# KiCad board pq-register.kicad_pcb (continued)
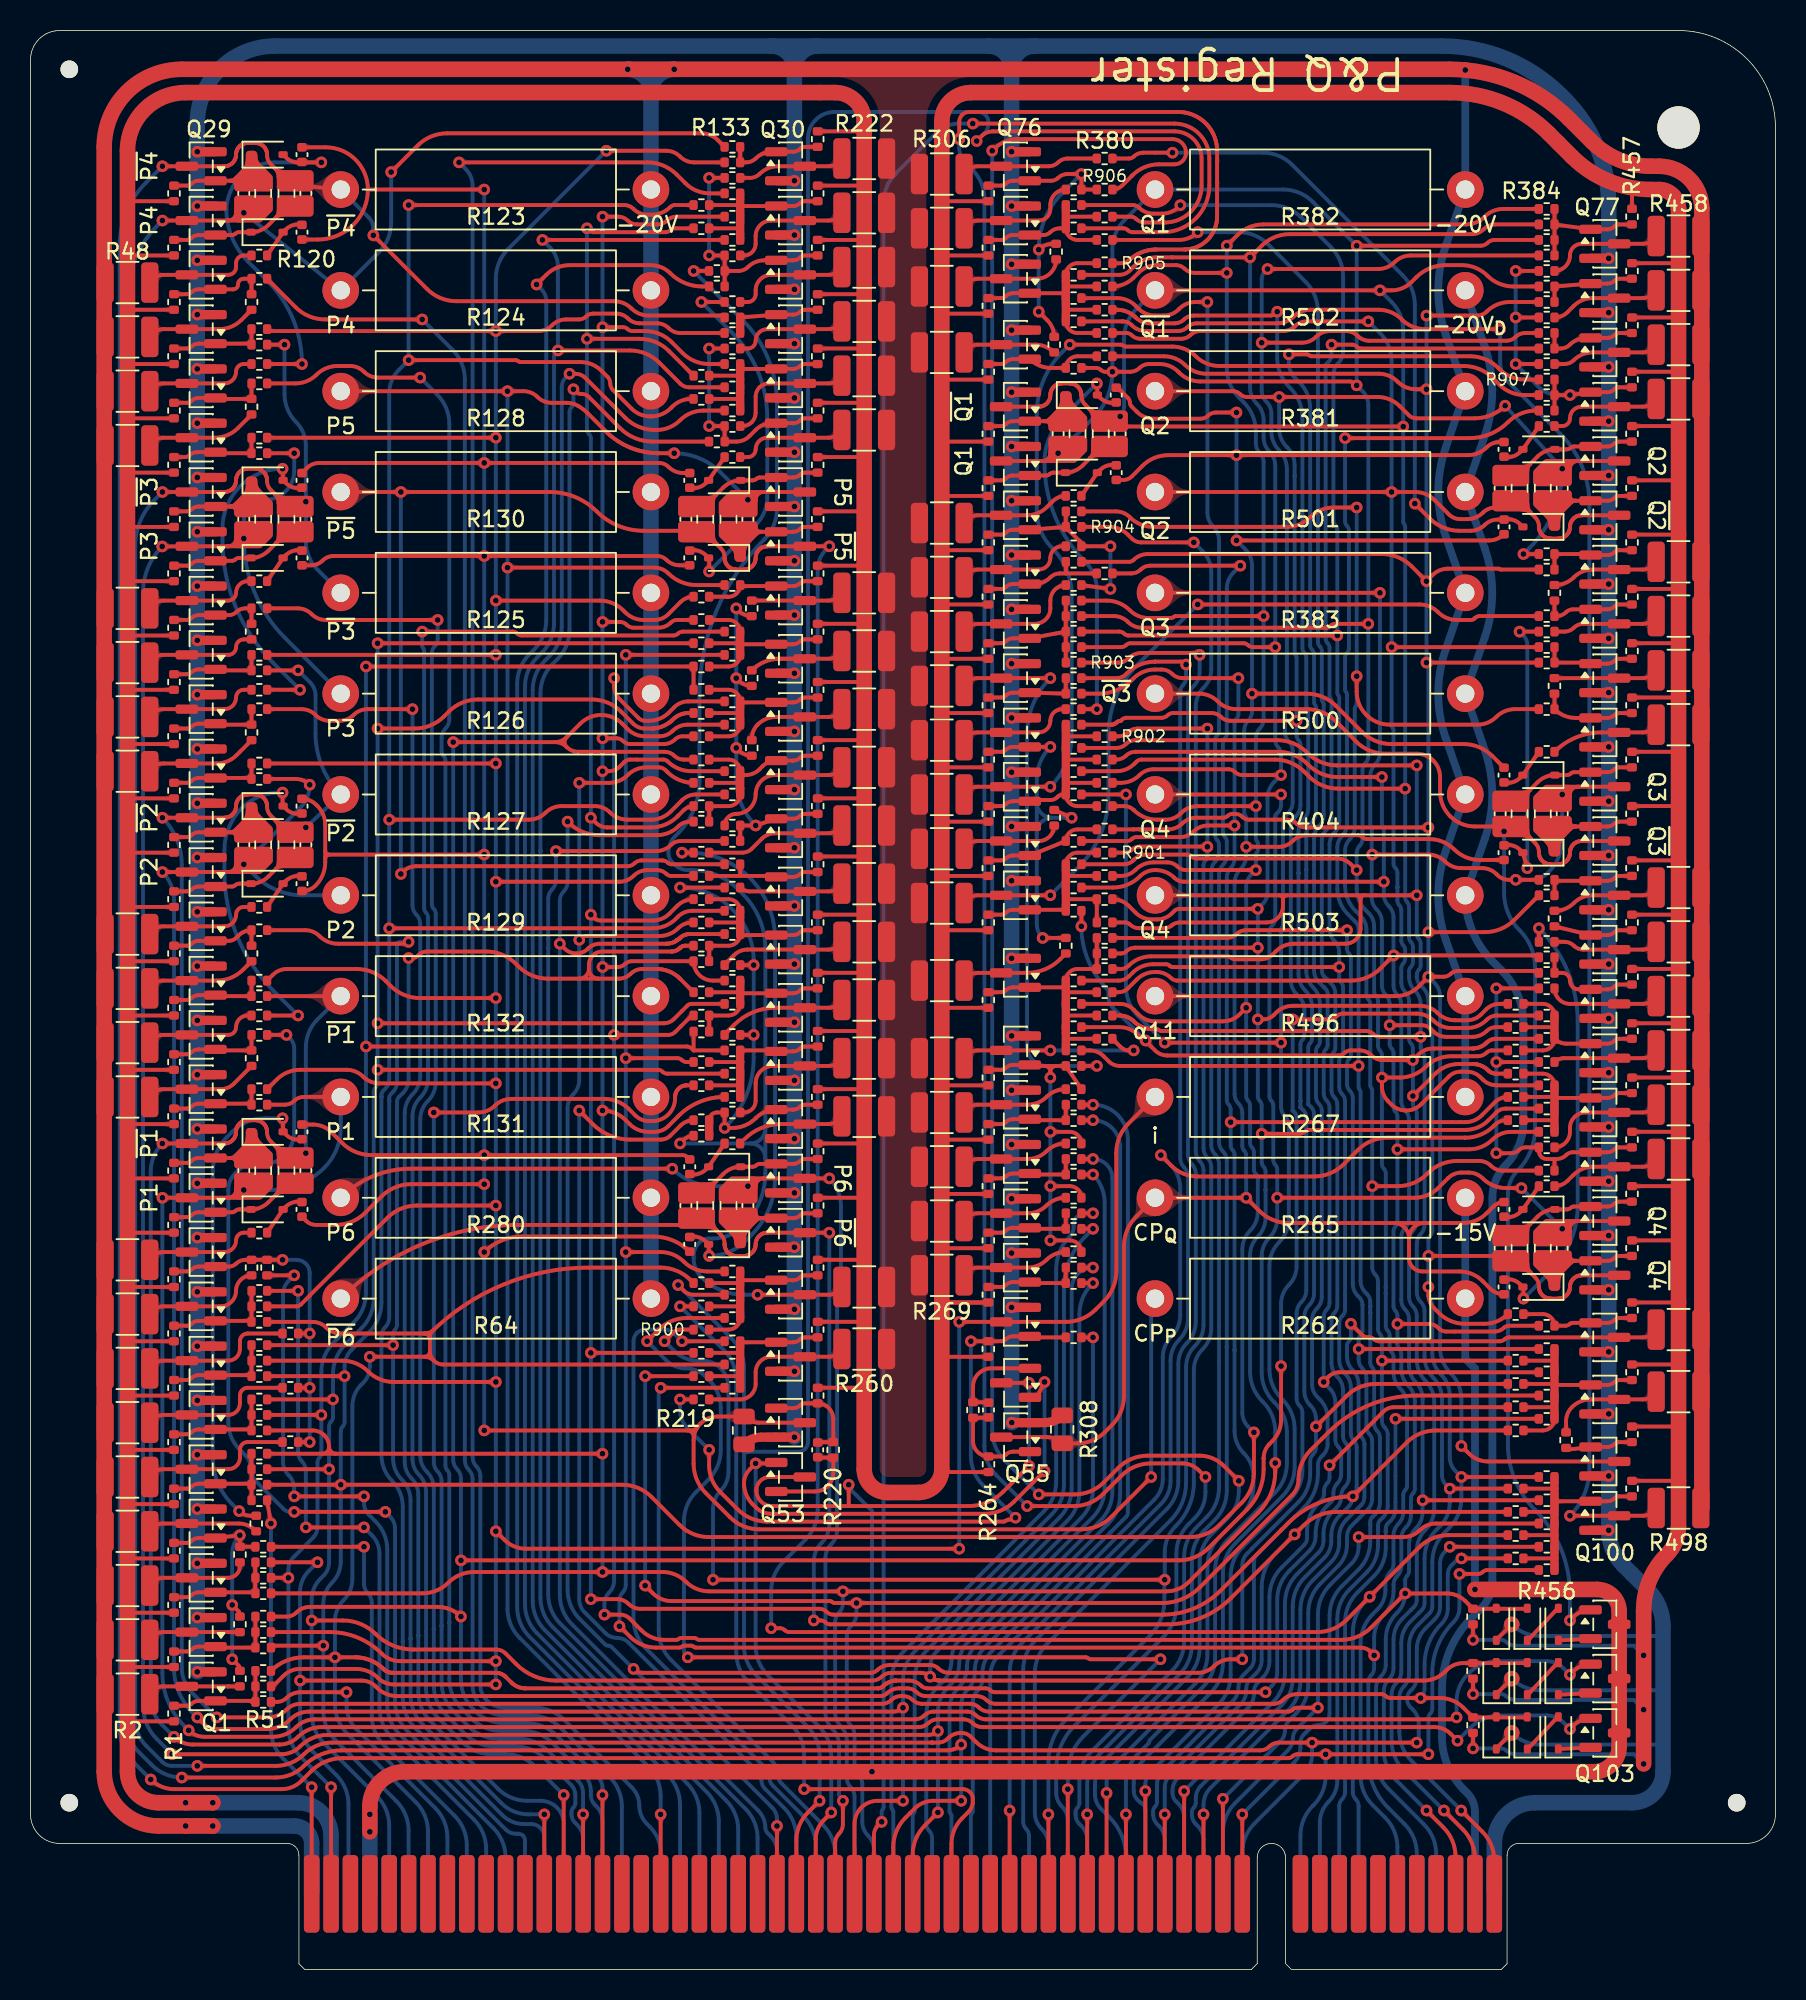
[diagram p0: board, top side]
## Nets (continued)
Net-(Q40-B): Q40.1 R167.2 R168.2 R169.2 R170.2 R171.2 R239.1
Net-(Q40-C): Q40.3 R172.1 R240.2
Net-(Q41-B): Q41.1 R173.2 R174.2 R175.2 R176.2 R177.2 R178.2 R241.1
Net-(Q41-C): Q41.3 R179.1 R242.2
Net-(Q42-B): Q42.1 R160.2 R166.2 R172.2 R179.2 R180.2 R243.1
Net-(Q43-B): Q43.1 R182.2 R183.2 R245.1
Net-(Q43-C): Q43.3 R184.1 R246.2
Net-(Q44-B): Q44.1 R185.2 R186.2 R187.2 R188.2 R189.2 R190.2 R247.1
Net-(Q44-C): Q44.3 R191.1 R248.2
Net-(Q45-B): Q45.1 R192.2 R193.2 R194.2 R195.2 R196.2 R249.1
Net-(Q45-C): Q45.3 R197.1 R250.2
Net-(Q46-B): Q46.1 R198.2 R199.2 R200.2 R201.2 R202.2 R251.1
Net-(Q46-C): Q46.3 R203.1 R252.2
Net-(Q47-B): Q47.1 R184.2 R191.2 R197.2 R203.2 R204.2 R205.2 R253.1
Net-(Q50-B): Q50.1 R209.2 R210.2 R211.2 R212.2 R213.2 R257.1 R900.2
Net-(Q51-B): Q51.1 R214.2 R215.2 R216.2 R217.2 R218.2 R259.1
Net-(Q51-C): Q51.3 R219.1 R260.2
Net-(Q52-B): C25.2 Q52.1 R220.2 R261.1
Net-(Q53-E): C25.1 Q53.2 R220.1
Net-(Q54-E): C26.1 Q54.2 R307.1
Net-(Q55-B): C26.2 Q55.1 R264.1 R307.2
Net-(Q56-B): Q56.1 R219.2 R266.1 R309.2
Net-(Q57-B): Q57.1 R268.1 R310.2 R311.2
Net-(Q57-C): Q57.3 R269.2 R312.1
Net-(Q58-B): Q58.1 R270.1 R313.2 R314.2
Net-(Q58-C): Q58.3 R271.2 R315.1
Net-(Q59-B): Q59.1 R272.1 R316.2 R317.2
Net-(Q59-C): Q59.3 R273.2 R318.1
Net-(Q60-B): Q60.1 R274.1 R319.2 R320.2
Net-(Q60-C): Q60.3 R275.2 R321.1
Net-(Q61-B): Q61.1 R276.1 R312.2 R315.2 R318.2 R321.2 R322.2
Net-(Q61-C): Q61.3 R277.2 R324.1
Net-(Q62-B): Q62.1 R278.1 R323.2 R324.2 R325.2 R326.2 R327.2 R328.2 R329.2 R330.2 R331.2 R333.2
Net-(Q62-C): Q62.3 R279.2 R332.1
Net-(Q63-B): Q63.1 R281.1 R334.2 R335.2 R336.2 R337.2 R338.2 R339.2 R901.2
Net-(Q63-C): Q63.3 R282.2 R403.1
Net-(Q64-B): Q64.1 R283.1 R340.2 R341.2
Net-(Q64-C): Q64.3 R284.2 R342.1
Net-(Q65-B): Q65.1 R285.1 R343.2 R344.2 R345.2 R346.2 R347.2 R348.2 R349.2 R902.2
Net-(Q65-C): Q65.3 R286.2 R395.1
Net-(Q66-B): Q66.1 R287.1 R332.2 R342.2
Net-(Q67-B): Q67.1 R289.1 R351.2 R352.2
Net-(Q67-C): Q67.3 R290.2 R322.1
Net-(Q68-B): Q68.1 R291.1 R353.2 R354.2 R355.2 R356.2 R903.2
Net-(Q68-C): Q68.3 R292.2 R357.1
Net-(Q69-B): Q69.1 R293.1 R358.2 R359.2
Net-(Q69-C): Q69.3 R294.2 R360.1
Net-(Q70-B): Q70.1 R295.1 R357.2 R360.2 R361.2 R904.2
Net-(Q73-B): Q73.1 R299.1 R365.2 R366.2
Net-(Q73-C): Q73.3 R300.2 R367.1
Net-(Q74-B): Q74.1 R301.1 R368.2 R369.2 R370.2 R371.2 R372.2 R373.2 R905.2
Net-(Q74-C): Q74.3 R302.2 R374.1
Net-(Q75-B): Q75.1 R303.1 R375.2 R376.2 R377.2 R378.2
Net-(Q75-C): Q75.3 R304.2 R379.1
Net-(Q76-B): Q76.1 R305.1 R367.2 R374.2 R379.2 R906.2
Net-(Q77-B): Q77.1 R384.2 R385.2 R386.2 R387.2 R457.1
Net-(Q77-C): Q77.3 R388.1 R458.2
Net-(Q78-B): Q78.1 R389.2 R390.2 R459.1
Net-(Q78-C): Q78.3 R391.1 R460.2
Net-(Q79-B): Q79.1 R392.2 R393.2 R461.1
Net-(Q79-C): Q79.3 R394.1 R462.2
Net-(Q80-B): Q80.1 R388.2 R391.2 R394.2 R395.2 R396.2 R463.1 R907.2
Net-(Q83-B): Q83.1 R400.2 R401.2 R467.1
Net-(Q83-C): Q83.3 R402.1 R468.2
Net-(Q84-B): Q84.1 R402.2 R403.2 R469.1
Net-(Q85-B): Q85.1 R406.2 R407.2 R471.1
Net-(Q85-C): Q85.3 R408.1 R472.2
Net-(Q86-B): Q86.1 R408.2 R409.2 R473.1
Net-(Q89-B): Q89.1 R413.2 R414.2 R477.1
Net-(Q89-C): Q89.3 R415.1 R478.2
Net-(Q90-B): Q90.1 R415.2 R479.1
Net-(Q91-B): Q91.1 R417.2 R418.2 R481.1
Net-(Q91-C): Q91.3 R419.1 R482.2
Net-(Q92-B): Q92.1 R420.2 R421.2 R422.2 R423.2 R424.2 R483.1
Net-(Q92-C): Q92.3 R425.1 R484.2
Net-(Q93-B): Q93.1 R426.2 R427.2 R428.2 R429.2 R430.2 R431.2 R485.1
Net-(Q93-C): Q93.3 R432.1 R486.2
Net-(Q94-B): Q94.1 R419.2 R425.2 R432.2 R433.2 R487.1
Net-(Q97-B): Q97.1 R437.2 R438.2 R491.1
Net-(Q98-B): Q98.1 R439.2 R440.2 R441.2 R442.2 R443.2 R444.2 R445.2 R446.2 R493.1
Net-(Q98-C): Q98.3 R255.1 R494.2
Net-(Q99-B): Q99.1 R255.2 R495.1
Net-(Q100-B): Q100.1 R448.2 R449.2 R450.2 R451.2 R452.2 R453.2 R454.2 R455.2 R456.2 R497.1
Net-(Q100-C): Q100.3 R369.1 R498.2

Pads without a net: P1 A18 A37 A42 A56 A60 B3 B4 B5 B6 B7 B8 B9 B10 B11 B12 B17 B18 B20 B21 B22 B23 B24 B33 B35 B36 B38 B52 B53 B54 B55 B56 B57 B58 B59

## Via types
v1: diameter 0.762, hole 0.381, Top to Bottom, 537 vias
v2: diameter 1.016, hole 0.381, Top to Bottom, 11 vias

## Routing (per net, layer and track width the routed paths; a pad name or vN(x,y) marks a point on that pad's centre or on a via; arc(x,y) is an arc through that point)
+15V: length 854.4
  Top w0.254: R270.2 59.69,47.24 ; R504.2 v1(94.49,14.48) ; R35.2 6.35,83.82 ; R227.2 54.61,109.73 ; R41.2 6.35,98.04 ; R29.2 6.35,69.59 ; R272.2 59.69,50.8 ; R31.2 6.35,76.71 ; R467.2 107.95,93.98 arc(107.95,93.98) 107.95,93.98 ; R261.2 54.61,38.1 arc(54.61,38.1) 54.61,38.1 ; R285.2 59.69,75.18 ; R21.2 6.35,55.37 arc(6.35,55.37) 6.35,55.37 ; R235.2 54.61,91.95 ; R297.2 59.69,96.52 ; R298.2 59.69,100.07 ; R1.2 6.35,16.25 ; R479.2 107.95,69.09 ; R475.2 107.95,79.76 ; R476.2 107.95,76.2 ; R9.2 6.35,30.48 arc(6.35,30.48) 6.35,30.48 ; R487.2 107.95,54.87 ; R47.2 6.35,108.71 ; R5.2 6.35,23.37 arc(6.35,23.37) 6.35,23.37 ; R221.2 54.61,120.4 arc(54.61,120.4) 54.61,120.4 ; R27.2 6.35,66.04 ; R457.2 104.9,116.7 ; R305.2 59.69,115.82 ; R293.2 59.69,89.41 ; R483.2 107.95,61.98 ; R463.2 107.95,104.65 ; R495.2 107.95,35.56 ; R264.2 59.71,32.58 arc(59.71,32.58) 59.7,32.58 ; R237.2 54.61,88.14 ; R490.2 107.95,47.75 ; R266.2 59.69,40.13 ; R491.2 107.95,43.69 arc(107.95,43.69) 107.95,43.69 ; R253.2 54.61,57.66 ; R251.2 54.61,61.47 ; R513.2 54.61,54.1 ; R15.2 6.35,41.15 arc(6.35,41.15) 6.35,41.15 ; R39.2 6.35,90.93 ; R223.2 54.61,116.84 ; R471.2 107.95,86.87 ; R233.2 54.61,99.06 ; R225.2 54.61,113.29 ; R25.2 6.35,62.48 ; R239.2 54.61,84.33 ; R281.2 59.69,68.07 ; R231.2 54.61,102.62 ; R30.2 6.35,73.15 ; R259.2 54.61,42.42 ; R461.2 107.95,108.21 ; R497.2 107.95,32.01 arc(107.95,32.01) 107.95,32 ; R3.2 6.35,19.81 arc(6.35,19.81) 6.35,19.81 ; R301.2 59.69,108.46 ; R278.2 59.69,62.99 ; R459.2 107.95,111.76 ; R49.2 6.35,112.27 ; R37.2 6.35,87.37 ; R50.2 6.35,115.82 ; R276.2 59.69,57.91 ; R7.2 6.35,26.92 arc(6.35,26.92) 6.35,26.92 ; R505.2 v1(94.49,18.03) ; R241.2 54.61,80.52 ; R45.2 6.35,105.15 ; R299.2 59.69,104.14 arc(59.69,104.14) 59.69,104.14 ; R291.2 59.69,85.85 ; R33.2 6.35,80.26 arc(6.35,80.26) 6.35,80.26 ; R249.2 54.61,65.28 ; R17.2 6.35,44.7 arc(6.35,44.7) 6.35,44.7 ; R303.2 59.69,112.27 ; R466.2 107.95,97.54 ; R465.2 107.95,101.09 ; R477.2 107.95,72.65 arc(107.95,72.65) 107.95,72.64 ; R247.2 54.61,69.09 ; R489.2 107.95,51.31 ; R20.2 6.35,51.81 ; R274.2 59.69,54.35 ; R481.2 107.95,65.53 ; R243.2 54.61,76.71 ; R11.2 6.35,34.03 ; R234.2 54.61,95.51 ; R512.2 54.61,50.55 ; R43.2 6.35,101.6 ; R19.2 6.35,48.26 ; R289.2 59.69,82.29 ; R245.2 54.61,72.9 ; R295.2 59.69,92.96 ; R469.2 107.95,90.43 ; R283.2 59.69,71.63 ; R40.2 6.35,94.49 ; R473.2 107.95,83.31 ; R229.2 54.61,106.17 ; R13.2 6.35,37.59 ; R287.2 59.69,78.74 ; R493.2 107.95,39.63 ; R23.2 6.35,58.93 ; R257.2 54.61,46.48 ; R485.2 107.95,58.42 ; R499.2 v1(94.49,21.59) ; R268.2 59.69,43.69 R268.2
  Top w1.016: v1(105.66,13.46) 105.66,23.5 arc(106.06,25.49) 107.19,27.18 arc(107.75,28.02) 107.95,29.02 107.95,115.32 107.95,115.32 arc(107.58,116.21) 106.68,116.59 106.17,116.59 arc(103.36,117.15) 100.97,118.74 99.47,120.24 arc(96.48,122.24) 92.96,122.94 61.59,122.94 arc(60.25,122.38) 59.69,121.03 59.69,32.77 arc(59.24,31.69) 58.17,31.24 56.13,31.24 arc(55.06,31.69) 54.61,32.77 54.61,38.1 arc(54.61,38.1) 54.61,38.1 54.61,121.03 arc(54.05,122.38) 52.7,122.94 10.16,122.94 arc(7.47,121.82) 6.35,119.13 6.35,12.95 arc(6.95,11.52) 8.38,10.92 v2(11.94,10.92)
  Bottom w0.254: v1(94.49,14.48) 96.34,14.48 arc(96.51,14.44) 96.65,14.35 arc(96.93,14.16) 97.26,14.1 105.03,14.1 v1(105.66,13.46) ; v1(94.49,21.59) 96.34,21.59 arc(96.51,21.56) 96.65,21.46 arc(96.93,21.28) 97.26,21.21 105.03,21.21 v1(105.66,20.57) ; v1(105.66,17.02) 105.03,17.65 97.26,17.65 arc(96.93,17.72) 96.65,17.91 arc(96.51,18) 96.34,18.03 v1(94.49,18.03)
  Bottom w1.016: 19.69,4.95 19.69,8.76 arc(19.05,10.29) 17.53,10.92 v2(10.16,10.92)
-15V: length 187.4
  Top w0.254: Q53.3 48.41,32.26 arc(47.8,32.01) 47.55,31.39 47.55,31.37 arc(47.85,30.65) 48.56,30.35 61.45,30.35 arc(62.67,30.6) 63.71,31.29 v1(65.4,32.98) ; v1(53.59,31.75) 53.59,30.35 ; v1(65.4,38.42) Q54.3
  Top w1.016: Q101.3 104.06,23.45 arc(103.64,24.47) 102.62,24.89 v2(94.61,24.89) ; 104.06,22.88 Q103.3 104.06,14.6 arc(103.58,13.44) 102.41,12.95 v1(55.12,12.95) 24.51,12.95 arc(22.89,12.28) 22.22,10.67 v1(22.22,9.02)
  Bottom w0.254: v1(65.4,32.98) v1(65.4,38.42) ; v1(53.59,31.75) 53.59,31.56 55.12,30.03 v1(55.12,12.95)
  Bottom w0.508: v2(94.61,24.89) 94.61,39.37 93.98,40 R262.1 R265.1
  Bottom w1.016: 22.22,4.95 v1(22.22,10.16)
-20V: length 480.2
  Top w1.016: v2(11.94,9.4) 8.38,9.4 arc(5.87,10.44) 4.83,12.95 4.83,119.38 arc(6.31,122.97) 9.91,124.46 v2(39.12,124.46) v2(42.16,124.46) 92.96,124.46 arc(97.19,123.62) 100.77,121.23 102.27,119.73 arc(104.06,118.53) 106.17,118.11 106.68,118.11 arc(108.66,117.29) 109.47,115.32 109.47,30.23
  Bottom w0.508: v2(93.98,124.41) R382.1 92.7,112.89 arc(92.21,109.98) 92.7,107.07 R381.1 92.7,99.68 arc(92.21,96.77) 92.7,93.87 R383.1 92.7,86.47 arc(92.21,83.57) 92.7,80.66 R404.1 92.7,73.27 arc(92.21,70.36) 92.7,67.45 R496.1 R267.1
  Bottom w1.016: 18.41,4.95 18.41,8.25 arc(18.08,9.06) 17.27,9.4 v2(10.16,9.4) ; 40.64,122.94 R123.1 R64.1 ; 40.64,122.94 arc(40.19,124.01) v2(39.12,124.46) v2(42.16,124.46) arc(41.09,124.01) 40.64,122.94
-20V_{D}: length 109.9
  Bottom w0.508: R502.1 95.26,106.29 arc(95.75,103.38) 95.26,100.47 R501.1 95.26,93.08 arc(95.75,90.17) 95.26,87.26 R500.1 95.26,79.87 arc(95.75,76.96) 95.26,74.05 R503.1 arc(94.45,68.01) 95.78,66.02 96.35,65.45 arc(97.41,63.85) 97.79,61.97 97.79,55.46 arc(97.49,53.97) 96.65,52.7 arc(95.99,51.72) 95.76,50.56 95.76,25.46 arc(95.56,24.47) 95,23.62 94.39,23.01 arc(92.96,20.87) 92.46,18.35 92.46,15.24 arc(92.83,13.36) 93.89,11.77 94.11,11.56 arc(94.48,10.99) 94.61,10.33 94.61,4.95
GND: length 667
  Top w0.254: v2(97.03,19.05) 96.04,18.06 ; v2(97.03,15.49) 96.04,14.5 ; v2(97.03,22.61) 96.04,21.61
  Top w0.6: Q29.2 v1(10.92,119.06) ; Q95.2 v1(103.38,48.07) ; Q9.2 v1(10.92,47.94) ; Q15.2 v1(10.92,69.28) ; Q79.2 v1(103.38,104.97) ; Q23.2 v1(10.92,97.72) ; Q16.2 v1(10.92,72.83) ; Q82.2 v1(103.38,94.3) ; Q89.2 v1(103.38,69.41) ; Q11.2 v1(10.92,55.05) ; Q35.2 v1(50.04,99.38) ; Q13.2 v1(10.92,62.16) ; Q3.2 v1(10.92,26.6) ; Q88.2 v1(103.38,72.96) ; Q36.2 v1(50.04,95.82) ; Q63.2 v1(64.26,71.31) ; Q20.2 v1(10.92,87.06) ; Q74.2 v1(64.26,111.69) ; Q93.2 v1(103.38,55.18) ; Q60.2 v1(64.26,57.59) ; Q33.2 v1(50.04,106.49) ; v1(64.28,35.82) Q55.2 66.44,35.82 arc(67.06,35.94) R308.2 ; Q18.2 v1(10.92,79.94) ; Q73.2 v1(64.26,107.38) ; Q50.2 v1(50.04,43.25) ; Q77.2 v1(103.38,112.08) ; Q70.2 v1(64.26,96.2) ; Q76.2 v1(64.26,119.06) ; Q40.2 v1(50.04,81.09) ; Q81.2 v1(103.38,97.86) ; Q99.2 v1(103.38,32.32) ; Q44.2 v1(50.04,65.85) ; Q78.2 v1(103.38,108.52) ; Q34.2 v1(50.04,102.94) ; Q32.2 v1(50.04,110.05) ; Q24.2 v1(10.92,101.28) ; Q71.2 v1(64.26,99.76) ; Q38.2 v1(50.04,88.71) ; Q46.2 v1(50.04,58.23) ; Q41.2 v1(50.04,77.28) ; Q30.2 v1(50.04,117.16) ; Q45.2 v1(50.04,62.04) ; Q49.2 v1(50.04,47.31) ; Q87.2 v1(103.38,76.52) ; Q37.2 v1(50.04,92.27) ; Q5.2 v1(10.92,33.72) ; Q66.2 v1(64.26,81.98) ; Q83.2 v1(103.38,90.74) ; Q61.2 v1(64.26,61.15) ; Q84.2 v1(103.38,87.19) ; Q19.2 v1(10.92,83.5) ; Q10.2 v1(10.92,51.5) ; Q75.2 v1(64.26,115.5) ; Q64.2 v1(64.26,74.86) ; Q31.2 v1(50.04,113.6) ; Q85.2 v1(103.38,83.63) ; Q58.2 v1(64.26,50.48) ; Q27.2 v1(10.92,111.95) ; Q25.2 v1(10.92,104.84) ; Q1.2 v1(10.92,19.49) ; Q26.2 v1(10.92,108.39) ; Q94.2 v1(103.38,51.63) ; Q22.2 v1(10.92,94.17) ; Q28.2 v1(10.92,115.5) ; Q91.2 v1(103.38,62.3) ; Q4.2 v1(10.92,30.16) ; Q42.2 v1(50.04,73.47) ; Q67.2 v1(64.26,85.53) ; Q12.2 v1(10.92,58.61) ; Q21.2 v1(10.92,90.61) ; Q68.2 v1(64.26,89.09) ; Q92.2 v1(103.38,58.74) ; Q14.2 v1(10.92,65.72) ; Q59.2 v1(64.26,54.04) ; Q6.2 v1(10.92,37.27) ; v1(50.04,34.86) Q52.2 47.87,34.86 arc(47.26,34.74) R263.2 ; Q65.2 v1(64.26,78.42) ; Q7.2 v1(10.92,40.83) ; Q80.2 v1(103.38,101.41) ; Q69.2 v1(64.26,92.64) ; Q72.2 v1(64.26,103.31) ; Q2.2 v1(10.92,23.05) ; Q90.2 v1(103.38,65.85) ; Q97.2 v1(103.38,40.45) ; Q51.2 v1(50.04,39.18) ; Q86.2 v1(103.38,80.08) ; Q62.2 v1(64.26,66.23) ; Q96.2 v1(103.38,44.52) ; Q98.2 v1(103.38,36.39) ; Q56.2 v1(64.26,43.37) ; Q8.2 v1(10.92,44.38) ; Q17.2 v1(10.92,76.39) ; Q43.2 v1(50.04,69.66) ; Q39.2 v1(50.04,84.9) ; Q57.2 v1(64.26,46.92) ; Q47.2 v1(50.04,54.42) ; Q100.2 v1(103.38,28.77) ; Q48.2 v1(50.04,50.87)
  Bottom w0.254: 106.93,14.73 98.87,14.73 arc(97.87,14.93) v2(97.03,15.49) ; 106.93,21.84 98.87,21.84 arc(97.87,22.04) v2(97.03,22.61) ; 106.93,18.29 98.87,18.29 arc(97.87,18.49) v2(97.03,19.05)
  Bottom w1.016: v1(64.28,35.82) 64.26,35.83 v1(64.26,119.06) 64.26,124.46 ; 65.79,125.98 62.74,125.98 ; 65.79,125.98 92.46,125.98 arc(96.68,125.14) 100.26,122.75 100.5,122.51 arc(102.63,119.32) 103.38,115.57 v1(103.38,112.08) v1(103.38,28.77) arc(103.62,27.53) 104.32,26.49 105.95,24.86 arc(106.68,23.77) 106.93,22.48 106.93,12.95 arc(106.34,11.52) 104.9,10.92 98.55,10.92 arc(96.67,10.14) 95.89,8.25 95.89,4.95 ; 65.79,125.98 arc(64.71,125.54) 64.26,124.46 ; 62.74,125.98 51.56,125.98 ; 62.74,125.98 arc(63.82,125.54) 64.26,124.46 ; 50.04,124.46 v1(50.04,117.16) v1(50.04,34.86) ; 50.04,124.46 arc(49.59,125.54) 48.51,125.98 ; 50.04,124.46 arc(50.48,125.54) 51.56,125.98 ; 51.56,125.98 48.51,125.98 ; v1(10.92,19.49) v1(10.92,119.06) 10.92,120.9 arc(12.41,124.5) 16,125.98 48.51,125.98
/P1/P1': length 7.3
  Top w0.254: R65.1 14.73,28.75 arc(14.22,29.09) 13.62,29.21 Q4.3 8.68,29.21 arc(8.35,29.14) 8.07,28.96 R8.2
/P1/P1_{S}: length 152.8
  Top w0.254: 12.95,50.55 Q10.3 v1(8.64,50.55) ; 12.95,50.55 12.89,50.55 13.84,50.55 ; 12.95,50.55 arc(13.31,50.69) 13.46,51.05 13.46,51.18 ; v1(100.84,19.3) 101.07,19.54 arc(101.58,19.88) Q102.1 ; v1(93.41,16.51) 93.31,16.51 arc(93.23,16.49) 93.15,16.45 arc(93.08,16.4) 93,16.38 62.6,16.38 arc(62.21,16.46) 61.89,16.68 arc(61.65,16.84) 61.37,16.89 59.16,16.89 arc(58.83,16.82) 58.55,16.64 arc(58.27,16.45) 57.93,16.38 18.63,16.38 arc(17.96,16.25) 17.4,15.87 arc(16.7,15.41) 15.87,15.24 11.38,15.24 arc(10.83,15.35) v1(10.36,15.66) ; R87.1 16.66,56.64 arc(16.99,56.71) 17.27,56.9 arc(17.55,57.08) 17.89,57.15 R131.2
  Bottom w0.254: v1(13.97,51.05) 15.71,51.05 arc(17.62,51.43) 19.24,52.52 arc(20.04,53.71) 20.32,55.12 R131.2 ; v1(8.64,50.55) 8.64,19.43 arc(9.01,17.54) 10.08,15.94 v1(10.36,15.66) ; v1(100.84,19.3) 100.39,19.75 arc(99.9,20.08) 99.32,20.19 96.12,20.19 arc(95.08,19.99) 94.2,19.4 94.15,19.35 arc(93.6,18.53) 93.41,17.56 v1(93.41,16.51)
/P1/~{P1'}: length 7.6
  Top w0.254: R18.2 8.07,46.74 arc(8.35,46.92) 8.68,46.99 Q9.3 12.7,46.99 arc(13.24,47.21) 13.46,47.75 arc(13.61,48.11) 13.97,48.26 R84.2
/P1/~{P1_{S}}: length 162.7
  Top w0.254: 20.7,15.87 58.19,15.87 58.19,15.87 arc(58.52,15.94) 58.8,16.13 arc(59.08,16.32) 59.41,16.38 61.11,16.38 arc(61.44,16.32) 61.72,16.13 arc(62,15.94) 62.34,15.87 91.95,15.87 arc(92.54,15.76) 93.03,15.43 v1(93.47,14.99) ; 16.64,53.72 16.62,53.72 arc(16.28,53.79) 16,53.97 ; v1(18.03,53.47) C1.2 ; 16.26,53.34 16.26,53.36 arc(16.19,53.69) 16,53.97 ; 16,53.97 16.08,53.9 ; 16,53.97 15.73,54.24 arc(15.56,54.51) 15.49,54.82 15.49,54.85 arc(15.49,54.86) 15.49,54.88 arc(15.49,54.9) 15.49,54.92 15.49,54.93 arc(15.49,54.97) 15.48,55 arc(15.47,55.04) 15.46,55.07 arc(15.45,55.11) 15.44,55.14 arc(15.43,55.17) 15.41,55.2 arc(15.4,55.23) 15.38,55.26 arc(15.36,55.29) 15.34,55.32 arc(15.32,55.35) 15.29,55.38 arc(15.27,55.4) 15.25,55.43 arc(15.22,55.45) 15.19,55.47 arc(15.16,55.49) 15.13,55.51 arc(15.1,55.53) 15.07,55.55 arc(15.04,55.56) 15.01,55.57 arc(14.97,55.59) 14.94,55.6 arc(14.91,55.61) 14.87,55.61 arc(14.84,55.62) 14.8,55.62 14.78,55.62 arc(14.77,55.63) 14.75,55.63 arc(14.73,55.63) 14.71,55.63 14.24,55.63 arc(14.22,55.63) 14.21,55.63 arc(14.19,55.63) 14.17,55.62 14.15,55.62 arc(14.12,55.62) 14.08,55.61 arc(14.05,55.61) 14.02,55.6 arc(13.98,55.59) 13.95,55.57 arc(13.92,55.56) 13.88,55.55 arc(13.85,55.53) 13.82,55.51 arc(13.79,55.49) 13.76,55.47 arc(13.74,55.45) 13.71,55.43 arc(13.69,55.4) 13.66,55.38 arc(13.64,55.35) 13.62,55.32 arc(13.6,55.29) 13.58,55.26 arc(13.56,55.23) 13.54,55.2 arc(13.53,55.17) 13.51,55.14 arc(13.5,55.11) 13.49,55.07 arc(13.48,55.04) 13.48,55 arc(13.47,54.97) 13.47,54.93 arc(13.46,54.9) 13.46,54.86 arc(13.46,54.83) 13.46,54.79 arc(13.45,54.76) 13.45,54.72 arc(13.44,54.69) 13.43,54.66 arc(13.42,54.62) 13.41,54.59 arc(13.4,54.56) 13.38,54.52 arc(13.37,54.49) 13.35,54.46 arc(13.33,54.43) 13.31,54.4 arc(13.29,54.38) 13.26,54.35 arc(13.24,54.33) 13.21,54.3 arc(13.19,54.28) 13.16,54.26 arc(13.13,54.24) 13.1,54.22 arc(13.07,54.2) 13.04,54.18 arc(13.01,54.17) 12.98,54.15 arc(12.94,54.14) 12.91,54.13 arc(12.87,54.12) 12.84,54.12 arc(12.81,54.11) 12.77,54.11 12.75,54.1 arc(12.74,54.1) 12.72,54.1 arc(12.7,54.1) 12.68,54.1 Q11.3 v1(8.64,54.1) ; 16,53.97 16.64,53.34 ; 20.7,15.87 19.06,15.87 arc(18.23,15.71) 17.53,15.24 arc(16.96,14.86) 16.3,14.73 10.62,14.73 arc(9.96,14.86) v1(9.4,15.24) 9.4,15.23 ; v1(100.84,15.75) 101.07,15.98 arc(101.58,16.32) Q103.1 ; R92.1 R132.2
  Bottom w0.254: v1(9.4,15.24) 8.59,16.05 arc(8.06,16.84) 7.87,17.78 7.87,52.26 arc(8.07,53.26) v1(8.64,54.1) ; v1(18.03,53.47) 18.03,60.39 arc(18.23,61.39) 18.8,62.23 R132.2 ; v1(100.84,15.75) 100.39,16.19 arc(99.9,16.52) 99.32,16.64 96.25,16.64 arc(95.21,16.43) 94.33,15.84 v1(93.47,14.99)
/P2/P2': length 7.6
  Top w0.254: R24.2 8.07,60.96 arc(8.35,61.15) 8.68,61.21 Q13.3 12.95,61.21 arc(13.31,61.36) 13.46,61.72 arc(13.69,62.26) 14.22,62.48 R91.1
/P2/~{P2'}: length 7.6
  Top w0.254: R96.2 13.97,69.6 arc(13.61,69.45) 13.46,69.09 arc(13.24,68.55) 12.7,68.33 Q15.3 8.68,68.33 arc(8.35,68.26) 8.07,68.07 R28.2
/P3/P3': length 7.6
  Top w0.254: R34.2 8.07,82.3 arc(8.35,82.48) 8.68,82.55 Q19.3 12.7,82.55 arc(13.24,82.77) 13.46,83.31 arc(13.61,83.67) 13.97,83.82 R103.1
/P3/~{P3'}: length 7.3
  Top w0.254: R38.2 8.07,89.41 arc(8.35,89.6) 8.68,89.66 Q21.3 12.95,89.66 arc(13.31,89.81) 13.46,90.17 arc(13.69,90.71) 14.22,90.93
/P4/P4': length 7.6
  Top w0.254: R44.2 8.07,103.63 arc(8.35,103.82) 8.68,103.89 Q25.3 12.7,103.89 arc(13.24,104.11) 13.46,104.65 arc(13.61,105.01) 13.97,105.16 R115.1
/P4/~{P4'}: length 7.7
  Top w0.254: R48.2 8.07,110.74 arc(8.35,110.93) 8.68,111 Q27.3 12.95,111 arc(13.31,111.15) 13.46,111.51 13.46,111.76 arc(13.61,112.12) 13.97,112.27 R120.2
/P5/P5': length 8
  Top w0.254: R144.1 46.99,109.22 arc(47.35,109.37) 47.5,109.73 47.5,109.98 arc(47.8,110.7) 48.51,111 Q32.3 52.28,111 arc(52.61,111.06) 52.89,111.25 R226.2
/P5/~{P5'}: length 7.6
  Top w0.254: R155.2 46.99,99.06 arc(47.35,99.21) 47.5,99.57 arc(47.72,100.11) 48.26,100.33 Q35.3 52.28,100.33 arc(52.61,100.4) 52.89,100.58 R232.2
/P6/P6': length 9.3
  Top w0.254: R244.2 52.89,74.68 arc(52.61,74.49) 52.28,74.42 Q42.3 48.77,74.42 arc(48.3,74.33) 47.9,74.06 47.24,73.41 arc(46.96,73.22) 46.63,73.15 R181.1
/P6/~{P6'}: length 6.8
  Top w0.254: R254.2 52.89,55.63 arc(52.61,55.44) 52.28,55.37 Q47.3 49.15,55.37 arc(47.86,55.12) 46.77,54.39
/Q1/Q1': length 7.7
  Top w0.254: R350.1 67.56,82.55 arc(67.03,82.33) 66.8,81.79 arc(66.58,81.25) 66.04,81.03 Q66.3 62.02,81.03 arc(61.69,80.96) 61.41,80.77 R288.2
/Q1/~{Q1'}: length 7.2
  Top w0.254: R296.2 61.41,95 arc(61.69,95.18) 62.02,95.25 Q70.3 65.28,95.25 arc(65.98,95.39) 66.58,95.79 66.95,96.16 arc(67.35,96.43) R362.2
/Q2/Q2': length 9
  Top w0.254: R306.2 61.41,117.86 arc(61.69,118.04) 62.02,118.11 Q76.3 66.7,118.11 arc(67.03,118.18) 67.31,118.36 arc(67.59,118.55) 67.92,118.62 R380.1
/Q2/~{Q2'}: length 7.6
  Top w0.254: R464.2 106.23,102.62 arc(105.95,102.43) 105.62,102.36 Q80.3 101.6,102.36 arc(101.06,102.14) 100.84,101.6 arc(100.69,101.24) 100.33,101.09 R397.2
/Q3/Q3': length 7
  Top w0.254: R470.2 106.23,88.39 arc(105.95,88.2) 105.62,88.14 Q84.3 101.71,88.14 arc(101.37,88.07) 101.09,87.88 arc(100.81,87.7) 100.48,87.63 R405.1
/Q3/~{Q3'}: length 7.2
  Top w0.254: R474.2 106.23,81.28 arc(105.95,81.09) 105.62,81.03 Q86.3 102.89,81.03 arc(101.23,80.7) R410.2
/Q3/~{Q3_{S}}: length 93.7
  Top w0.254: R500.2 76.54,83.57 arc(77.2,83.43) 77.77,83.06 arc(78.33,82.68) 78.99,82.55 83.58,82.55 arc(84.62,82.34) 85.51,81.75 86.83,80.43 arc(87.72,79.84) 88.76,79.63 90.81,79.63 arc(91.39,79.51) 91.88,79.18 arc(92.21,78.69) 92.33,78.11 92.33,77.14 arc(92.5,76.27) 93,75.53 arc(93.73,75.04) 94.61,74.87 96.96,74.87 ; 98.04,74.68 98.04,74.65 arc(98.11,74.32) 98.3,74.04 ; 98.3,74.04 98.57,73.77 arc(98.74,73.51) 98.81,73.2 98.81,73.17 arc(98.81,73.15) 98.81,73.13 arc(98.81,73.12) 98.81,73.1 98.81,73.08 arc(98.81,73.05) 98.82,73.01 arc(98.83,72.98) 98.84,72.94 arc(98.85,72.91) 98.86,72.88 arc(98.87,72.84) 98.89,72.81 arc(98.9,72.78) 98.92,72.75 arc(98.94,72.72) 98.96,72.69 arc(98.98,72.67) 99.01,72.64 arc(99.03,72.61) 99.05,72.59 arc(99.08,72.57) 99.11,72.54 arc(99.14,72.52) 99.17,72.5 arc(99.2,72.49) 99.23,72.47 arc(99.26,72.46) 99.29,72.44 arc(99.33,72.43) 99.36,72.42 arc(99.39,72.41) 99.43,72.4 arc(99.46,72.4) 99.5,72.39 99.52,72.39 arc(99.53,72.39) 99.55,72.39 arc(99.57,72.39) 99.59,72.39 100.06,72.39 arc(100.08,72.39) 100.09,72.39 arc(100.11,72.39) 100.13,72.39 100.15,72.39 arc(100.18,72.4) 100.22,72.4 arc(100.25,72.41) 100.28,72.42 arc(100.32,72.43) 100.35,72.44 arc(100.38,72.46) 100.42,72.47 arc(100.45,72.49) 100.48,72.5 arc(100.51,72.52) 100.54,72.54 arc(100.56,72.57) 100.59,72.59 arc(100.61,72.61) 100.64,72.64 arc(100.66,72.67) 100.68,72.69 arc(100.7,72.72) 100.72,72.75 arc(100.74,72.78) 100.76,72.81 arc(100.77,72.84) 100.79,72.88 arc(100.8,72.91) 100.81,72.94 arc(100.82,72.98) 100.82,73.01 arc(100.83,73.05) 100.83,73.08 arc(100.84,73.12) 100.84,73.15 arc(100.84,73.19) 100.84,73.22 arc(100.85,73.26) 100.85,73.29 arc(100.86,73.33) 100.87,73.36 arc(100.88,73.39) 100.89,73.43 arc(100.9,73.46) 100.92,73.49 arc(100.93,73.52) 100.95,73.55 arc(100.97,73.58) 100.99,73.61 arc(101.01,73.64) 101.04,73.67 arc(101.06,73.69) 101.09,73.71 arc(101.11,73.74) 101.14,73.76 arc(101.17,73.78) 101.2,73.8 arc(101.23,73.82) 101.26,73.83 arc(101.29,73.85) 101.32,73.86 arc(101.36,73.87) 101.39,73.88 arc(101.43,73.89) 101.46,73.9 arc(101.49,73.91) 101.53,73.91 101.55,73.91 arc(101.56,73.91) 101.58,73.91 arc(101.6,73.91) 101.62,73.91 Q88.3 ; 98.3,74.04 98.22,74.12 ; 98.3,74.04 97.66,74.68 ; 98.3,74.04 arc(98.02,74.23) 97.68,74.29 97.66,74.29 ; C35.2 96.27,74.55 ; v1(100.84,22.86) 101.07,23.09 arc(101.58,23.44) Q101.1
  Bottom w0.254: v1(100.84,22.86) 100.84,24.58 arc(100.24,27.57) 98.55,30.1 arc(97.24,32.07) 96.77,34.39 96.77,50.79 arc(96.94,51.62) 97.41,52.32 arc(98.25,53.59) 98.55,55.08 98.55,65.62 arc(98.29,66.95) 97.54,68.07 arc(96.78,69.2) 96.52,70.52 v1(96.52,74.55)
/Q4/Q4': length 7
  Top w0.254: R416.1 100.48,67.31 arc(100.81,67.24) 101.09,67.06 arc(101.37,66.87) 101.71,66.8 Q90.3 105.62,66.8 arc(105.95,66.87) 106.23,67.06 R480.2
/Q4/~{Q4'}: length 7.2
  Top w0.254: R488.2 106.23,52.83 arc(105.95,52.64) 105.62,52.58 Q94.3 102.36,52.58 arc(101.66,52.44) 101.06,52.04 100.69,51.67 arc(100.29,51.4) R434.2
A: length 225.6
  Top w0.254: v1(28.19,26.8) 75.23,26.8 arc(76.27,27) 77.15,27.59 79.68,30.12 arc(80.49,31.33) 80.77,32.77 80.77,33.48 arc(80.87,33.99) 81.16,34.43 81.34,34.61 arc(81.77,35.24) 81.92,35.99 v1(81.92,39.52) ; R173.1 42.78,79.25 arc(42.45,79.31) 42.16,79.5 arc(41.88,79.69) 41.55,79.76 35.88,79.76 arc(35.47,79.84) 35.12,80.07 ; R421.1 96.05,62.48 arc(95.69,62.41) 95.39,62.21 95.37,62.19 arc(94.79,61.8) 94.11,61.66 93.05,61.66 arc(92.44,61.79) 91.91,62.14 arc(91.39,62.49) 90.77,62.61 85.99,62.61 arc(85.75,62.56) 85.53,62.42 arc(85.32,62.28) 85.07,62.23 v1(82.68,62.23) ; R57.1 16.79,23.11 arc(17.12,23.18) 17.4,23.37 arc(17.82,23.65) 18.32,23.75 26.66,23.75 arc(27.49,23.58) v1(28.19,23.11) ; R170.1 43.04,81.53 arc(42.51,81.43) 42.06,81.13 arc(41.67,80.86) 41.2,80.77 40.26,80.77 arc(39.64,80.9) 39.11,81.25 38.76,81.6 arc(38.13,82.02) 37.38,82.17 arc(36.64,82.02) 36.01,81.6 35.12,80.71 ; 34.35,80.39 v1(27.69,80.39) ; 34.35,80.39 arc(34.76,80.31) 35.12,80.07 ; 34.35,80.39 arc(34.76,80.47) 35.12,80.71 ; v1(37.47,11.43) 37.47,4.95 ; 35.12,80.71 arc(34.98,80.39) 35.12,80.07
  Bottom w0.254: v1(27.69,80.39) 27.69,33.39 arc(27.75,33.06) 27.94,32.78 arc(28.13,32.5) 28.19,32.16 v1(28.19,23.11) 28.19,18.98 arc(28.4,17.94) 28.99,17.06 29.12,16.93 arc(30,16.34) 31.04,16.13 32.53,16.13 arc(33.57,15.92) 34.45,15.33 37.15,12.63 arc(37.38,12.29) 37.47,11.87 v1(37.47,11.43) ; v1(81.92,39.52) 81.92,43.6 arc(82.05,44.27) 82.42,44.83 arc(82.8,45.39) 82.93,46.06 82.93,55.83 arc(82.9,55.99) 82.8,56.13 82.68,56.26 ; 82.68,56.26 v1(82.68,62.23) ; 82.68,56.26 arc(82.68,56.26) 82.68,56.26 ; 82.68,56.26 arc(82.68,56.26) 82.68,56.26 ; 82.68,56.26 arc(82.68,56.26) 82.68,56.26
A*: length 108.5
  Top w0.254: v1(25.65,87.63) 31.57,87.63 arc(31.74,87.6) 31.88,87.5 arc(32.02,87.41) 32.18,87.38 42.11,87.38 arc(42.28,87.41) 42.42,87.5 arc(42.56,87.6) 42.72,87.63 R162.1 ; v1(34.92,11.43) 34.92,4.95
  Bottom w0.254: v1(25.65,87.63) 25.65,86.7 arc(25.67,86.62) 25.72,86.55 arc(25.76,86.48) 25.78,86.4 25.78,69.52 arc(25.81,69.36) 25.91,69.21 arc(26,69.07) 26.03,68.91 26.03,58.33 arc(25.9,57.67) 25.53,57.11 arc(25.15,56.54) 25.02,55.88 25.02,33.45 arc(25.13,32.87) 25.46,32.38 arc(25.79,31.89) 25.91,31.31 25.91,22.09 25.91,18.39 arc(26.12,17.35) 26.7,16.47 28.28,14.89 arc(29.16,14.3) 30.2,14.1 31.13,14.1 arc(32.17,13.89) 33.05,13.3 v1(34.92,11.43)